# EAGLE board working (EAGLE 9.6.2), part 26 of 28 (continued)
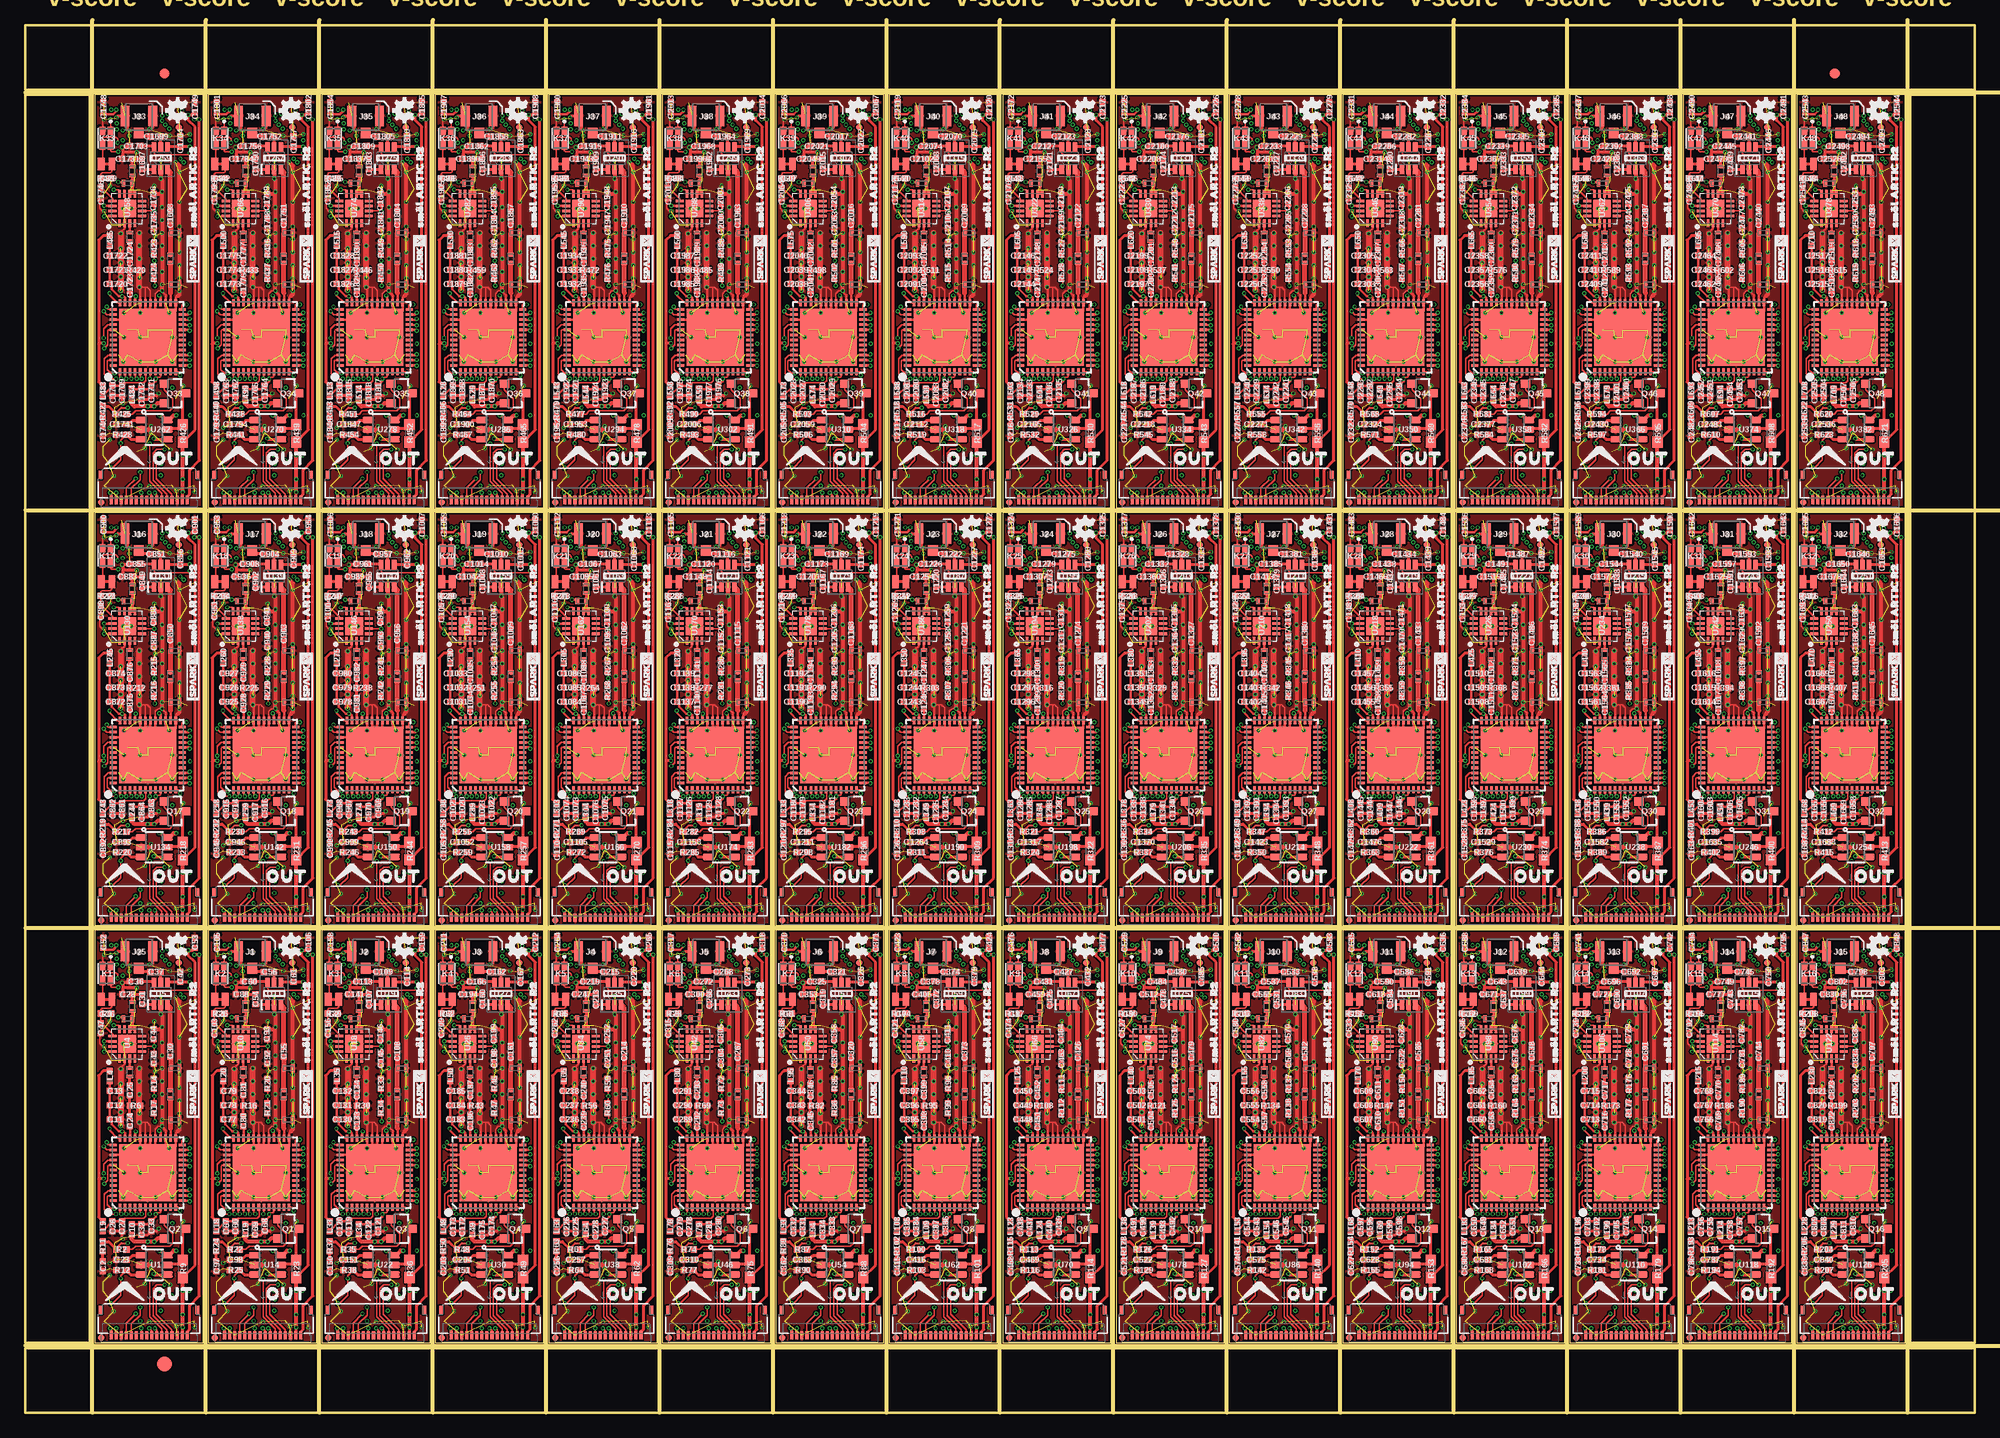
[diagram p0: board, top side]
## Tracks (layer width: path | path; a pad name or v marks a point on that pad's centre or on a via) (continued)
SDA36  (via drill 0.2)
  Top 0.152: OUT36.12 55.15,91.04 56.01,91.9 v56.01,92.65
  Route15 0.127: v53.72,126.43 52.77,126.43 52.58,126.24 52.58,119.7 53.12,119.15 53.12,117.53 52.58,116.98 52.58,110.11 53.53,109.16 53.53,104.23 52.49,103.19 52.49,92.99 52.83,92.65 v56.01,92.65
  Bottom 0.152: IN36.12 55.15,127.85 v53.72,126.43 | v56.01,92.65 54.65,92.65 U296.7
SDA37  (via drill 0.2)
  Top 0.152: OUT37.12 66.32,91.04 67.18,91.9 v67.18,92.65
  Route15 0.127: v64.9,126.43 63.95,126.43 63.75,126.24 63.75,119.7 64.3,119.15 64.3,117.53 63.75,116.98 63.75,110.11 64.7,109.16 64.7,104.23 63.66,103.19 63.66,92.99 64.01,92.65 v67.18,92.65
  Bottom 0.152: IN37.12 66.32,127.85 v64.9,126.43 | v67.18,92.65 65.83,92.65 U304.7
SDA38  (via drill 0.2)
  Top 0.152: OUT38.12 77.5,91.04 78.36,91.9 v78.36,92.65
  Route15 0.127: v76.07,126.43 75.12,126.43 74.93,126.24 74.93,119.7 75.48,119.15 75.48,117.53 74.93,116.98 74.93,110.11 75.88,109.16 75.88,104.23 74.84,103.19 74.84,92.99 75.18,92.65 v78.36,92.65
  Bottom 0.152: IN38.12 77.5,127.85 v76.07,126.43 | v78.36,92.65 77.01,92.65 U312.7
SDA39  (via drill 0.2)
  Top 0.152: OUT39.12 88.67,91.04 89.54,91.9 v89.54,92.65
  Route15 0.127: v87.25,126.43 86.3,126.43 86.11,126.24 86.11,119.7 86.65,119.15 86.65,117.53 86.11,116.98 86.11,110.11 87.06,109.16 87.06,104.23 86.02,103.19 86.02,92.99 86.36,92.65 v89.54,92.65
  Bottom 0.152: IN39.12 88.67,127.85 v87.25,126.43 | v89.54,92.65 88.18,92.65 U320.7
SDA40  (via drill 0.2)
  Top 0.152: OUT40.12 99.85,91.04 100.71,91.9 v100.71,92.65
  Route15 0.127: v98.42,126.43 97.47,126.43 97.28,126.24 97.28,119.7 97.83,119.15 97.83,117.53 97.28,116.98 97.28,110.11 98.23,109.16 98.23,104.23 97.19,103.19 97.19,92.99 97.54,92.65 v100.71,92.65
  Bottom 0.152: IN40.12 99.85,127.85 v98.42,126.43 | v100.71,92.65 99.36,92.65 U328.7
SDA41  (via drill 0.2)
  Top 0.152: OUT41.12 111.03,91.04 111.89,91.9 v111.89,92.65
  Route15 0.127: v109.6,126.43 108.65,126.43 108.46,126.24 108.46,119.7 109,119.15 109,117.53 108.46,116.98 108.46,110.11 109.41,109.16 109.41,104.23 108.37,103.19 108.37,92.99 108.71,92.65 v111.89,92.65
  Bottom 0.152: IN41.12 111.03,127.85 v109.6,126.43 | v111.89,92.65 110.53,92.65 U336.7
SDA42  (via drill 0.2)
  Top 0.152: OUT42.12 122.2,91.04 123.06,91.9 v123.06,92.65
  Route15 0.127: v120.78,126.43 119.82,126.43 119.63,126.24 119.63,119.7 120.18,119.15 120.18,117.53 119.63,116.98 119.63,110.11 120.59,109.16 120.59,104.23 119.55,103.19 119.55,92.99 119.89,92.65 v123.06,92.65
  Bottom 0.152: IN42.12 122.2,127.85 v120.78,126.43 | v123.06,92.65 121.71,92.65 U344.7
SDA43  (via drill 0.2)
  Top 0.152: OUT43.12 133.38,91.04 134.24,91.9 v134.24,92.65
  Route15 0.127: v131.95,126.43 131,126.43 130.81,126.24 130.81,119.7 131.35,119.15 131.35,117.53 130.81,116.98 130.81,110.11 131.76,109.16 131.76,104.23 130.72,103.19 130.72,92.99 131.06,92.65 v134.24,92.65
  Bottom 0.152: IN43.12 133.38,127.85 v131.95,126.43 | v134.24,92.65 132.89,92.65 U352.7
SDA44  (via drill 0.2)
  Top 0.152: OUT44.12 144.55,91.04 145.41,91.9 v145.41,92.65
  Route15 0.127: v143.13,126.43 142.18,126.43 141.99,126.24 141.99,119.7 142.53,119.15 142.53,117.53 141.99,116.98 141.99,110.11 142.94,109.16 142.94,104.23 141.9,103.19 141.9,92.99 142.24,92.65 v145.41,92.65
  Bottom 0.152: IN44.12 144.55,127.85 v143.13,126.43 | v145.41,92.65 144.06,92.65 U360.7
SDA45  (via drill 0.2)
  Top 0.152: OUT45.12 155.73,91.04 156.59,91.9 v156.59,92.65
  Route15 0.127: v154.31,126.43 153.35,126.43 153.16,126.24 153.16,119.7 153.71,119.15 153.71,117.53 153.16,116.98 153.16,110.11 154.11,109.16 154.11,104.23 153.07,103.19 153.07,92.99 153.42,92.65 v156.59,92.65
  Bottom 0.152: IN45.12 155.73,127.85 v154.31,126.43 | v156.59,92.65 155.24,92.65 U368.7
SDA46  (via drill 0.2)
  Top 0.152: OUT46.12 166.91,91.04 167.77,91.9 v167.77,92.65
  Route15 0.127: v165.48,126.43 164.53,126.43 164.34,126.24 164.34,119.7 164.88,119.15 164.88,117.53 164.34,116.98 164.34,110.11 165.29,109.16 165.29,104.23 164.25,103.19 164.25,92.99 164.59,92.65 v167.77,92.65
  Bottom 0.152: IN46.12 166.91,127.85 v165.48,126.43 | v167.77,92.65 166.41,92.65 U376.7
SDA47  (via drill 0.2)
  Top 0.152: OUT47.12 178.08,91.04 178.94,91.9 v178.94,92.65
  Route15 0.127: v176.66,126.43 175.7,126.43 175.51,126.24 175.51,119.7 176.06,119.15 176.06,117.53 175.51,116.98 175.51,110.11 176.47,109.16 176.47,104.23 175.43,103.19 175.43,92.99 175.77,92.65 v178.94,92.65
  Bottom 0.152: IN47.12 178.08,127.85 v176.66,126.43 | v178.94,92.65 177.59,92.65 U384.7
TXSW  (via drill 0.2)
  Top 0.203: U3.21 16.15,24.87 v16.19,24.83
  Top 0.305: U5.4 15.19,42.38 C42.1 v16.18,42.43 v16.19,42.42
  Route15 0.152: v16.19,24.83 16.89,25.53 16.89,41.72 v16.19,42.42
TXSW1  (via drill 0.2)
  Top 0.203: U9.21 27.32,24.87 v27.37,24.83
  Top 0.305: U11.4 26.37,42.38 C61.1 v27.36,42.43 v27.37,42.42
  Route15 0.152: v27.37,24.83 28.07,25.53 28.07,41.72 v27.37,42.42
TXSW2  (via drill 0.2)
  Top 0.203: U17.21 38.5,24.87 v38.54,24.83
  Top 0.305: U19.4 37.54,42.38 C114.1 38.54,42.43 v38.54,42.42
  Route15 0.152: v38.54,24.83 39.24,25.53 39.24,41.72 v38.54,42.42
TXSW3  (via drill 0.2)
  Top 0.203: U25.21 49.68,24.87 v49.72,24.83
  Top 0.305: U27.4 48.72,42.38 C167.1 v49.71,42.43 v49.72,42.42
  Route15 0.152: v49.72,24.83 50.42,25.53 50.42,41.72 v49.72,42.42
TXSW4  (via drill 0.2)
  Top 0.203: U33.21 60.85,24.87 v60.9,24.83
  Top 0.305: U35.4 59.89,42.38 C220.1 v60.89,42.43 v60.9,42.42
  Route15 0.152: v60.9,24.83 61.59,25.53 61.59,41.72 v60.9,42.42
TXSW5  (via drill 0.2)
  Top 0.203: U41.21 72.03,24.87 v72.07,24.83
  Top 0.305: U43.4 71.07,42.38 C273.1 v72.06,42.43 v72.07,42.42
  Route15 0.152: v72.07,24.83 72.77,25.53 72.77,41.72 v72.07,42.42
TXSW6  (via drill 0.2)
  Top 0.203: U49.21 83.2,24.87 v83.25,24.83
  Top 0.305: U51.4 82.25,42.38 C326.1 v83.24,42.43 v83.25,42.42
  Route15 0.152: v83.25,24.83 83.95,25.53 83.95,41.72 v83.25,42.42
TXSW7  (via drill 0.2)
  Top 0.203: U57.21 94.38,24.87 v94.42,24.83
  Top 0.305: U59.4 93.42,42.38 C379.1 94.42,42.43 v94.42,42.42
  Route15 0.152: v94.42,24.83 95.12,25.53 95.12,41.72 v94.42,42.42
TXSW8  (via drill 0.2)
  Top 0.203: U65.21 105.56,24.87 v105.6,24.83
  Top 0.305: U67.4 104.6,42.38 C432.1 v105.59,42.43 v105.6,42.42
  Route15 0.152: v105.6,24.83 106.3,25.53 106.3,41.72 v105.6,42.42
TXSW9  (via drill 0.2)
  Top 0.203: U73.21 116.73,24.87 v116.78,24.83
  Top 0.305: U75.4 115.77,42.38 C485.1 v116.77,42.43 v116.78,42.42
  Route15 0.152: v116.78,24.83 117.47,25.53 117.47,41.72 v116.78,42.42
TXSW10  (via drill 0.2)
  Top 0.203: U81.21 127.91,24.87 v127.95,24.83
  Top 0.305: U83.4 126.95,42.38 C538.1 v127.95,42.43 v127.95,42.42
  Route15 0.152: v127.95,24.83 128.65,25.53 128.65,41.72 v127.95,42.42
TXSW11  (via drill 0.2)
  Top 0.203: U89.21 139.09,24.87 v139.13,24.83
  Top 0.305: U91.4 138.12,42.38 C591.1 v139.12,42.43 v139.13,42.42
  Route15 0.152: v139.13,24.83 139.83,25.53 139.83,41.72 v139.13,42.42
TXSW12  (via drill 0.2)
  Top 0.203: U97.21 150.26,24.87 v150.3,24.83
  Top 0.305: U99.4 149.3,42.38 C644.1 150.3,42.43 v150.3,42.42
  Route15 0.152: v150.3,24.83 151,25.53 151,41.72 v150.3,42.42
TXSW13  (via drill 0.2)
  Top 0.203: U105.21 161.44,24.87 v161.48,24.83
  Top 0.305: U107.4 160.48,42.38 C697.1 v161.47,42.43 v161.48,42.42
  Route15 0.152: v161.48,24.83 162.18,25.53 162.18,41.72 v161.48,42.42
TXSW14  (via drill 0.2)
  Top 0.203: U113.21 172.61,24.87 v172.66,24.83
  Top 0.305: U115.4 171.65,42.38 C750.1 v172.65,42.43 v172.66,42.42
  Route15 0.152: v172.66,24.83 173.35,25.53 173.35,41.72 v172.66,42.42
TXSW15  (via drill 0.2)
  Top 0.203: U121.21 183.79,24.87 v183.83,24.83
  Top 0.305: U123.4 182.83,42.38 C803.1 v183.82,42.43 v183.83,42.42
  Route15 0.152: v183.83,24.83 184.53,25.53 184.53,41.72 v183.83,42.42
TXSW16  (via drill 0.2)
  Top 0.203: U129.21 16.15,66.02 v16.19,65.98
  Top 0.305: U131.4 15.19,83.52 C856.1 v16.18,83.57 v16.19,83.57
  Route15 0.152: v16.19,65.98 16.89,66.67 16.89,82.87 v16.19,83.57
TXSW17  (via drill 0.2)
  Top 0.203: U137.21 27.32,66.02 v27.37,65.98
  Top 0.305: U139.4 26.37,83.52 C909.1 v27.36,83.57 v27.37,83.57
  Route15 0.152: v27.37,65.98 28.07,66.67 28.07,82.87 v27.37,83.57
TXSW18  (via drill 0.2)
  Top 0.203: U145.21 38.5,66.02 v38.54,65.98
  Top 0.305: U147.4 37.54,83.52 C962.1 38.54,83.57 v38.54,83.57
  Route15 0.152: v38.54,65.98 39.24,66.67 39.24,82.87 v38.54,83.57
TXSW19  (via drill 0.2)
  Top 0.203: U153.21 49.68,66.02 v49.72,65.98
  Top 0.305: U155.4 48.72,83.52 C1015.1 v49.71,83.57 v49.72,83.57
  Route15 0.152: v49.72,65.98 50.42,66.67 50.42,82.87 v49.72,83.57
TXSW20  (via drill 0.2)
  Top 0.203: U161.21 60.85,66.02 v60.9,65.98
  Top 0.305: U163.4 59.89,83.52 C1068.1 v60.89,83.57 v60.9,83.57
  Route15 0.152: v60.9,65.98 61.59,66.67 61.59,82.87 v60.9,83.57
TXSW21  (via drill 0.2)
  Top 0.203: U169.21 72.03,66.02 v72.07,65.98
  Top 0.305: U171.4 71.07,83.52 C1121.1 v72.06,83.57 v72.07,83.57
  Route15 0.152: v72.07,65.98 72.77,66.67 72.77,82.87 v72.07,83.57
TXSW22  (via drill 0.2)
  Top 0.203: U177.21 83.2,66.02 v83.25,65.98
  Top 0.305: U179.4 82.25,83.52 C1174.1 v83.24,83.57 v83.25,83.57
  Route15 0.152: v83.25,65.98 83.95,66.67 83.95,82.87 v83.25,83.57
TXSW23  (via drill 0.2)
  Top 0.203: U185.21 94.38,66.02 v94.42,65.98
  Top 0.305: U187.4 93.42,83.52 C1227.1 94.42,83.57 v94.42,83.57
  Route15 0.152: v94.42,65.98 95.12,66.67 95.12,82.87 v94.42,83.57
TXSW24  (via drill 0.2)
  Top 0.203: U193.21 105.56,66.02 v105.6,65.98
  Top 0.305: U195.4 104.6,83.52 C1280.1 v105.59,83.57 v105.6,83.57
  Route15 0.152: v105.6,65.98 106.3,66.67 106.3,82.87 v105.6,83.57
TXSW25  (via drill 0.2)
  Top 0.203: U201.21 116.73,66.02 v116.78,65.98
  Top 0.305: U203.4 115.77,83.52 C1333.1 v116.77,83.57 v116.78,83.57
  Route15 0.152: v116.78,65.98 117.47,66.67 117.47,82.87 v116.78,83.57
TXSW26  (via drill 0.2)
  Top 0.203: U209.21 127.91,66.02 v127.95,65.98
  Top 0.305: U211.4 126.95,83.52 C1386.1 v127.95,83.57
  Route15 0.152: v127.95,65.98 128.65,66.67 128.65,82.87 v127.95,83.57
TXSW27  (via drill 0.2)
  Top 0.203: U217.21 139.09,66.02 v139.13,65.98
  Top 0.305: U219.4 138.12,83.52 C1439.1 v139.12,83.57 v139.13,83.57
  Route15 0.152: v139.13,65.98 139.83,66.67 139.83,82.87 v139.13,83.57
TXSW28  (via drill 0.2)
  Top 0.203: U225.21 150.26,66.02 v150.3,65.98
  Top 0.305: U227.4 149.3,83.52 C1492.1 150.3,83.57 v150.3,83.57
  Route15 0.152: v150.3,65.98 151,66.67 151,82.87 v150.3,83.57
TXSW29  (via drill 0.2)
  Top 0.203: U233.21 161.44,66.02 v161.48,65.98
  Top 0.305: U235.4 160.48,83.52 C1545.1 v161.47,83.57 v161.48,83.57
  Route15 0.152: v161.48,65.98 162.18,66.67 162.18,82.87 v161.48,83.57
TXSW30  (via drill 0.2)
  Top 0.203: U241.21 172.61,66.02 v172.66,65.98
  Top 0.305: U243.4 171.65,83.52 C1598.1 v172.65,83.57 v172.66,83.57
  Route15 0.152: v172.66,65.98 173.35,66.67 173.35,82.87 v172.66,83.57
TXSW31  (via drill 0.2)
  Top 0.203: U249.21 183.79,66.02 v183.83,65.98
  Top 0.305: U251.4 182.83,83.52 C1651.1 v183.82,83.57 v183.83,83.57
  Route15 0.152: v183.83,65.98 184.53,66.67 184.53,82.87 v183.83,83.57
TXSW32  (via drill 0.2)
  Top 0.203: U257.21 16.15,107.17 v16.19,107.12
  Top 0.305: U259.4 15.19,124.67 C1704.1 v16.18,124.72 v16.19,124.71
  Route15 0.152: v16.19,107.12 16.89,107.82 16.89,124.02 v16.19,124.71
TXSW33  (via drill 0.2)
  Top 0.203: U265.21 27.32,107.17 v27.37,107.12
  Top 0.305: U267.4 26.37,124.67 C1757.1 v27.36,124.72 v27.37,124.71
  Route15 0.152: v27.37,107.12 28.07,107.82 28.07,124.02 v27.37,124.71
TXSW34  (via drill 0.2)
  Top 0.203: U273.21 38.5,107.17 v38.54,107.12
  Top 0.305: U275.4 37.54,124.67 C1810.1 38.54,124.72 v38.54,124.71
  Route15 0.152: v38.54,107.12 39.24,107.82 39.24,124.02 v38.54,124.71
TXSW35  (via drill 0.2)
  Top 0.203: U281.21 49.68,107.17 v49.72,107.12
  Top 0.305: U283.4 48.72,124.67 C1863.1 v49.71,124.72 v49.72,124.71
  Route15 0.152: v49.72,107.12 50.42,107.82 50.42,124.02 v49.72,124.71
TXSW36  (via drill 0.2)
  Top 0.203: U289.21 60.85,107.17 v60.9,107.12
  Top 0.305: U291.4 59.89,124.67 C1916.1 v60.89,124.72 v60.9,124.71
  Route15 0.152: v60.9,107.12 61.59,107.82 61.59,124.02 v60.9,124.71
TXSW37  (via drill 0.2)
  Top 0.203: U297.21 72.03,107.17 v72.07,107.12
  Top 0.305: U299.4 71.07,124.67 C1969.1 v72.06,124.72 v72.07,124.71
  Route15 0.152: v72.07,107.12 72.77,107.82 72.77,124.02 v72.07,124.71
TXSW38  (via drill 0.2)
  Top 0.203: U305.21 83.2,107.17 v83.25,107.12
  Top 0.305: U307.4 82.25,124.67 C2022.1 v83.24,124.72 v83.25,124.71
  Route15 0.152: v83.25,107.12 83.95,107.82 83.95,124.02 v83.25,124.71
TXSW39  (via drill 0.2)
  Top 0.203: U313.21 94.38,107.17 v94.42,107.12
  Top 0.305: U315.4 93.42,124.67 C2075.1 94.42,124.72 v94.42,124.71
  Route15 0.152: v94.42,107.12 95.12,107.82 95.12,124.02 v94.42,124.71
TXSW40  (via drill 0.2)
  Top 0.203: U321.21 105.56,107.17 v105.6,107.12
  Top 0.305: U323.4 104.6,124.67 C2128.1 v105.59,124.72 v105.6,124.71
  Route15 0.152: v105.6,107.12 106.3,107.82 106.3,124.02 v105.6,124.71
TXSW41  (via drill 0.2)
  Top 0.203: U329.21 116.73,107.17 v116.78,107.12
  Top 0.305: U331.4 115.77,124.67 C2181.1 v116.77,124.72 v116.78,124.71
  Route15 0.152: v116.78,107.12 117.47,107.82 117.47,124.02 v116.78,124.71
TXSW42  (via drill 0.2)
  Top 0.203: U337.21 127.91,107.17 v127.95,107.12
  Top 0.305: U339.4 126.95,124.67 C2234.1 v127.95,124.72 v127.95,124.71
  Route15 0.152: v127.95,107.12 128.65,107.82 128.65,124.02 v127.95,124.71
TXSW43  (via drill 0.2)
  Top 0.203: U345.21 139.09,107.17 v139.13,107.12
  Top 0.305: U347.4 138.12,124.67 C2287.1 v139.12,124.72 v139.13,124.71
  Route15 0.152: v139.13,107.12 139.83,107.82 139.83,124.02 v139.13,124.71
TXSW44  (via drill 0.2)
  Top 0.203: U353.21 150.26,107.17 v150.3,107.12
  Top 0.305: U355.4 149.3,124.67 C2340.1 150.3,124.72 v150.3,124.71
  Route15 0.152: v150.3,107.12 151,107.82 151,124.02 v150.3,124.71
TXSW45  (via drill 0.2)
  Top 0.203: U361.21 161.44,107.17 v161.48,107.12
  Top 0.305: U363.4 160.48,124.67 C2393.1 v161.47,124.72 v161.48,124.71
  Route15 0.152: v161.48,107.12 162.18,107.82 162.18,124.02 v161.48,124.71
TXSW46  (via drill 0.2)
  Top 0.203: U369.21 172.61,107.17 v172.66,107.12
  Top 0.305: U371.4 171.65,124.67 C2446.1 v172.65,124.72 v172.66,124.71
  Route15 0.152: v172.66,107.12 173.35,107.82 173.35,124.02 v172.66,124.71
TXSW47  (via drill 0.2)
  Top 0.203: U377.21 183.79,107.17 v183.83,107.12
  Top 0.305: U379.4 182.83,124.67 C2499.1 v183.82,124.72 v183.83,124.71
  Route15 0.152: v183.83,107.12 184.53,107.82 184.53,124.02 v183.83,124.71
V_USB  (via drill 0.2)
  Top 0.305: OUT.16 8.44,8.23 v8.35,8.32
  Route15 0.305: v8.45,46.04 7.49,46.04 7.24,45.78 7.24,25.79 8.23,24.8 8.23,22.23 7.19,21.19 7.19,9.48 v8.35,8.32
  Bottom 0.254: IN.16 v8.44,46.04 v8.45,46.04
V_USB1  (via drill 0.2)
  Top 0.305: OUT1.16 19.62,8.23 v19.53,8.32
  Route15 0.305: v19.62,46.04 18.67,46.04 18.41,45.78 18.41,25.79 19.4,24.8 19.4,22.23 18.36,21.19 18.36,9.48 v19.53,8.32
  Bottom 0.254: IN1.16 v19.62,46.04
V_USB2  (via drill 0.2)
  Top 0.305: OUT2.16 30.79,8.23 v30.7,8.32
  Route15 0.305: v30.8,46.04 29.84,46.04 29.59,45.78 29.59,25.79 30.58,24.8 30.58,22.23 29.54,21.19 29.54,9.48 v30.7,8.32
  Bottom 0.254: IN2.16 v30.79,46.04 v30.8,46.04
V_USB3  (via drill 0.2)
  Top 0.305: OUT3.16 41.97,8.23 v41.88,8.32
  Route15 0.305: v41.97,46.04 41.02,46.04 40.77,45.78 40.77,25.79 41.76,24.8 41.76,22.23 40.72,21.19 40.72,9.48 v41.88,8.32
  Bottom 0.254: IN3.16 v41.97,46.04
V_USB4  (via drill 0.2)
  Top 0.305: OUT4.16 53.15,8.23 v53.05,8.32
  Route15 0.305: v53.15,46.04 52.2,46.04 51.94,45.78 51.94,25.79 52.93,24.8 52.93,22.23 51.89,21.19 51.89,9.48 v53.05,8.32
  Bottom 0.254: IN4.16 v53.15,46.04
V_USB5  (via drill 0.2)
  Top 0.305: OUT5.16 64.32,8.23 v64.23,8.32
  Route15 0.305: v64.33,46.04 63.37,46.04 63.12,45.78 63.12,25.79 64.11,24.8 64.11,22.23 63.07,21.19 63.07,9.48 v64.23,8.32
  Bottom 0.254: IN5.16 v64.32,46.04 v64.33,46.04
V_USB6  (via drill 0.2)
  Top 0.305: OUT6.16 75.5,8.23 v75.41,8.32
  Route15 0.305: v75.5,46.04 74.55,46.04 74.3,45.78 74.3,25.79 75.28,24.8 75.28,22.23 74.24,21.19 74.24,9.48 v75.41,8.32
  Bottom 0.254: IN6.16 v75.5,46.04
V_USB7  (via drill 0.2)
  Top 0.305: OUT7.16 86.67,8.23 v86.58,8.32
  Route15 0.305: v86.68,46.04 85.73,46.04 85.47,45.78 85.47,25.79 86.46,24.8 86.46,22.23 85.42,21.19 85.42,9.48 v86.58,8.32
  Bottom 0.254: IN7.16 v86.67,46.04 v86.68,46.04
V_USB8  (via drill 0.2)
  Top 0.305: OUT8.16 97.85,8.23 v97.76,8.32
  Route15 0.305: v97.85,46.04 96.9,46.04 96.65,45.78 96.65,25.79 97.64,24.8 97.64,22.23 96.6,21.19 96.6,9.48 v97.76,8.32
  Bottom 0.254: IN8.16 v97.85,46.04
V_USB9  (via drill 0.2)
  Top 0.305: OUT9.16 109.03,8.23 v108.93,8.32
  Route15 0.305: v109.03,46.04 108.08,46.04 107.82,45.78 107.82,25.79 108.81,24.8 108.81,22.23 107.77,21.19 107.77,9.48 v108.93,8.32
  Bottom 0.254: IN9.16 v109.03,46.04
V_USB10  (via drill 0.2)
  Top 0.305: OUT10.16 120.2,8.23 v120.11,8.32
  Route15 0.305: v120.2,46.04 119.25,46.04 119,45.78 119,25.79 119.99,24.8 119.99,22.23 118.95,21.19 118.95,9.48 v120.11,8.32
  Bottom 0.254: IN10.16 v120.2,46.04
V_USB11  (via drill 0.2)
  Top 0.305: OUT11.16 131.38,8.23 v131.29,8.32
  Route15 0.305: v131.38,46.04 130.43,46.04 130.17,45.78 130.17,25.79 131.16,24.8 131.16,22.23 130.12,21.19 130.12,9.48 v131.29,8.32
  Bottom 0.254: IN11.16 v131.38,46.04
V_USB12  (via drill 0.2)
  Top 0.305: OUT12.16 142.55,8.23 v142.46,8.32
  Route15 0.305: v142.56,46.04 141.61,46.04 141.35,45.78 141.35,25.79 142.34,24.8 142.34,22.23 141.3,21.19 141.3,9.48 v142.46,8.32
  Bottom 0.254: IN12.16 v142.55,46.04 v142.56,46.04
V_USB13  (via drill 0.2)
  Top 0.305: OUT13.16 153.73,8.23 v153.64,8.32
  Route15 0.305: v153.73,46.04 152.78,46.04 152.53,45.78 152.53,25.79 153.52,24.8 153.52,22.23 152.48,21.19 152.48,9.48 v153.64,8.32
  Bottom 0.254: IN13.16 v153.73,46.04
V_USB14  (via drill 0.2)
  Top 0.305: OUT14.16 164.91,8.23 v164.81,8.32
  Route15 0.305: v164.91,46.04 163.96,46.04 163.7,45.78 163.7,25.79 164.69,24.8 164.69,22.23 163.65,21.19 163.65,9.48 v164.81,8.32
  Bottom 0.254: IN14.16 v164.91,46.04
V_USB15  (via drill 0.2)
  Top 0.305: OUT15.16 176.08,8.23 v175.99,8.32
  Route15 0.305: v176.09,46.04 175.13,46.04 174.88,45.78 174.88,25.79 175.87,24.8 175.87,22.23 174.83,21.19 174.83,9.48 v175.99,8.32
  Bottom 0.254: IN15.16 v176.08,46.04 v176.09,46.04
V_USB16  (via drill 0.2)
  Top 0.305: OUT16.16 8.44,49.38 v8.35,49.47
  Route15 0.305: v8.45,87.19 7.49,87.19 7.24,86.93 7.24,66.93 8.23,65.95 8.23,63.38 7.19,62.34 7.19,50.63 v8.35,49.47
  Bottom 0.254: IN16.16 v8.44,87.19 v8.45,87.19
V_USB17  (via drill 0.2)
  Top 0.305: OUT17.16 19.62,49.38 v19.53,49.47
  Route15 0.305: v19.62,87.19 18.67,87.19 18.41,86.93 18.41,66.93 19.4,65.95 19.4,63.38 18.36,62.34 18.36,50.63 v19.53,49.47
  Bottom 0.254: IN17.16 v19.62,87.19
V_USB18  (via drill 0.2)
  Top 0.305: OUT18.16 30.79,49.38 v30.7,49.47
  Route15 0.305: v30.8,87.19 29.84,87.19 29.59,86.93 29.59,66.93 30.58,65.95 30.58,63.38 29.54,62.34 29.54,50.63 v30.7,49.47
  Bottom 0.254: IN18.16 v30.79,87.19 v30.8,87.19
V_USB19  (via drill 0.2)
  Top 0.305: OUT19.16 41.97,49.38 v41.88,49.47
  Route15 0.305: v41.97,87.19 41.02,87.19 40.77,86.93 40.77,66.93 41.76,65.95 41.76,63.38 40.72,62.34 40.72,50.63 v41.88,49.47
  Bottom 0.254: IN19.16 v41.97,87.19
V_USB20  (via drill 0.2)
  Top 0.305: OUT20.16 53.15,49.38 v53.05,49.47
  Route15 0.305: v53.15,87.19 52.2,87.19 51.94,86.93 51.94,66.93 52.93,65.95 52.93,63.38 51.89,62.34 51.89,50.63 v53.05,49.47
  Bottom 0.254: IN20.16 v53.15,87.19
V_USB21  (via drill 0.2)
  Top 0.305: OUT21.16 64.32,49.38 v64.23,49.47
  Route15 0.305: v64.33,87.19 63.37,87.19 63.12,86.93 63.12,66.93 64.11,65.95 64.11,63.38 63.07,62.34 63.07,50.63 v64.23,49.47
  Bottom 0.254: IN21.16 v64.32,87.19 v64.33,87.19
V_USB22  (via drill 0.2)
  Top 0.305: OUT22.16 75.5,49.38 v75.41,49.47
  Route15 0.305: v75.5,87.19 74.55,87.19 74.3,86.93 74.3,66.93 75.28,65.95 75.28,63.38 74.24,62.34 74.24,50.63 v75.41,49.47
  Bottom 0.254: IN22.16 v75.5,87.19
V_USB23  (via drill 0.2)
  Top 0.305: OUT23.16 86.67,49.38 v86.58,49.47
  Route15 0.305: v86.68,87.19 85.73,87.19 85.47,86.93 85.47,66.93 86.46,65.95 86.46,63.38 85.42,62.34 85.42,50.63 v86.58,49.47
  Bottom 0.254: IN23.16 v86.67,87.19 v86.68,87.19
V_USB24  (via drill 0.2)
  Top 0.305: OUT24.16 97.85,49.38 v97.76,49.47
  Route15 0.305: v97.85,87.19 96.9,87.19 96.65,86.93 96.65,66.93 97.64,65.95 97.64,63.38 96.6,62.34 96.6,50.63 v97.76,49.47
  Bottom 0.254: IN24.16 v97.85,87.19
V_USB25  (via drill 0.2)
  Top 0.305: OUT25.16 109.03,49.38 v108.93,49.47
  Route15 0.305: v109.03,87.19 108.08,87.19 107.82,86.93 107.82,66.93 108.81,65.95 108.81,63.38 107.77,62.34 107.77,50.63 v108.93,49.47
  Bottom 0.254: IN25.16 v109.03,87.19
V_USB26  (via drill 0.2)
  Top 0.305: OUT26.16 120.2,49.38 v120.11,49.47
  Route15 0.305: v120.2,87.19 119.25,87.19 119,86.93 119,66.93 119.99,65.95 119.99,63.38 118.95,62.34 118.95,50.63 v120.11,49.47
  Bottom 0.254: IN26.16 v120.2,87.19
V_USB27  (via drill 0.2)
  Top 0.305: OUT27.16 131.38,49.38 v131.29,49.47
  Route15 0.305: v131.38,87.19 130.43,87.19 130.17,86.93 130.17,66.93 131.16,65.95 131.16,63.38 130.12,62.34 130.12,50.63 v131.29,49.47
  Bottom 0.254: IN27.16 v131.38,87.19
V_USB28  (via drill 0.2)
  Top 0.305: OUT28.16 142.55,49.38 v142.46,49.47
  Route15 0.305: v142.56,87.19 141.61,87.19 141.35,86.93 141.35,66.93 142.34,65.95 142.34,63.38 141.3,62.34 141.3,50.63 v142.46,49.47
  Bottom 0.254: IN28.16 v142.55,87.19 v142.56,87.19
V_USB29  (via drill 0.2)
  Top 0.305: OUT29.16 153.73,49.38 v153.64,49.47
  Route15 0.305: v153.73,87.19 152.78,87.19 152.53,86.93 152.53,66.93 153.52,65.95 153.52,63.38 152.48,62.34 152.48,50.63 v153.64,49.47
  Bottom 0.254: IN29.16 v153.73,87.19
V_USB30  (via drill 0.2)
  Top 0.305: OUT30.16 164.91,49.38 v164.81,49.47
  Route15 0.305: v164.91,87.19 163.96,87.19 163.7,86.93 163.7,66.93 164.69,65.95 164.69,63.38 163.65,62.34 163.65,50.63 v164.81,49.47
  Bottom 0.254: IN30.16 v164.91,87.19
V_USB31  (via drill 0.2)
  Top 0.305: OUT31.16 176.08,49.38 v175.99,49.47
  Route15 0.305: v176.09,87.19 175.13,87.19 174.88,86.93 174.88,66.93 175.87,65.95 175.87,63.38 174.83,62.34 174.83,50.63 v175.99,49.47
  Bottom 0.254: IN31.16 v176.08,87.19 v176.09,87.19
V_USB32  (via drill 0.2)
  Top 0.305: OUT32.16 8.44,90.52 v8.35,90.62
  Route15 0.305: v8.45,128.33 7.49,128.33 7.24,128.08 7.24,108.08 8.23,107.09 8.23,104.53 7.19,103.49 7.19,91.78 v8.35,90.62
  Bottom 0.254: IN32.16 v8.44,128.34 v8.45,128.33
V_USB33  (via drill 0.2)
  Top 0.305: OUT33.16 19.62,90.52 v19.53,90.62
  Route15 0.305: v19.62,128.33 18.67,128.33 18.41,128.08 18.41,108.08 19.4,107.09 19.4,104.53 18.36,103.49 18.36,91.78 v19.53,90.62
  Bottom 0.254: IN33.16 v19.62,128.34 v19.62,128.33
V_USB34  (via drill 0.2)
  Top 0.305: OUT34.16 30.79,90.52 v30.7,90.62
  Route15 0.305: v30.8,128.33 29.84,128.33 29.59,128.08 29.59,108.08 30.58,107.09 30.58,104.53 29.54,103.49 29.54,91.78 v30.7,90.62
  Bottom 0.254: IN34.16 v30.79,128.34 v30.8,128.33
V_USB35  (via drill 0.2)
  Top 0.305: OUT35.16 41.97,90.52 v41.88,90.62
  Route15 0.305: v41.97,128.33 41.02,128.33 40.77,128.08 40.77,108.08 41.76,107.09 41.76,104.53 40.72,103.49 40.72,91.78 v41.88,90.62
  Bottom 0.254: IN35.16 v41.97,128.34 v41.97,128.33
V_USB36  (via drill 0.2)
  Top 0.305: OUT36.16 53.15,90.52 v53.05,90.62
  Route15 0.305: v53.15,128.33 52.2,128.33 51.94,128.08 51.94,108.08 52.93,107.09 52.93,104.53 51.89,103.49 51.89,91.78 v53.05,90.62
  Bottom 0.254: IN36.16 v53.15,128.34 v53.15,128.33
V_USB37  (via drill 0.2)
  Top 0.305: OUT37.16 64.32,90.52 v64.23,90.62
  Route15 0.305: v64.33,128.33 63.37,128.33 63.12,128.08 63.12,108.08 64.11,107.09 64.11,104.53 63.07,103.49 63.07,91.78 v64.23,90.62
  Bottom 0.254: IN37.16 v64.32,128.34 v64.33,128.33
V_USB38  (via drill 0.2)
  Top 0.305: OUT38.16 75.5,90.52 v75.41,90.62
  Route15 0.305: v75.5,128.33 74.55,128.33 74.3,128.08 74.3,108.08 75.28,107.09 75.28,104.53 74.24,103.49 74.24,91.78 v75.41,90.62
  Bottom 0.254: IN38.16 v75.5,128.34 v75.5,128.33
V_USB39  (via drill 0.2)
  Top 0.305: OUT39.16 86.67,90.52 v86.58,90.62
  Route15 0.305: v86.68,128.33 85.73,128.33 85.47,128.08 85.47,108.08 86.46,107.09 86.46,104.53 85.42,103.49 85.42,91.78 v86.58,90.62
  Bottom 0.254: IN39.16 v86.67,128.34 v86.68,128.33
V_USB40  (via drill 0.2)
  Top 0.305: OUT40.16 97.85,90.52 v97.76,90.62
  Route15 0.305: v97.85,128.33 96.9,128.33 96.65,128.08 96.65,108.08 97.64,107.09 97.64,104.53 96.6,103.49 96.6,91.78 v97.76,90.62
  Bottom 0.254: IN40.16 v97.85,128.34 v97.85,128.33
V_USB41  (via drill 0.2)
  Top 0.305: OUT41.16 109.03,90.52 v108.93,90.62
  Route15 0.305: v109.03,128.33 108.08,128.33 107.82,128.08 107.82,108.08 108.81,107.09 108.81,104.53 107.77,103.49 107.77,91.78 v108.93,90.62
  Bottom 0.254: IN41.16 v109.03,128.34 v109.03,128.33
V_USB42  (via drill 0.2)
  Top 0.305: OUT42.16 120.2,90.52 v120.11,90.62
  Route15 0.305: v120.2,128.33 119.25,128.33 119,128.08 119,108.08 119.99,107.09 119.99,104.53 118.95,103.49 118.95,91.78 v120.11,90.62